# Altium PCB Booster.PcbDoc
Units mm, origin at the board's own origin, x right, y up, seen from the top; angles counter-clockwise.
Board outline 59.05 x 91.57 mm, 2 copper layers (Top Layer, Bottom Layer); 50 components, 36 nets, 138 pads, 182 vias.
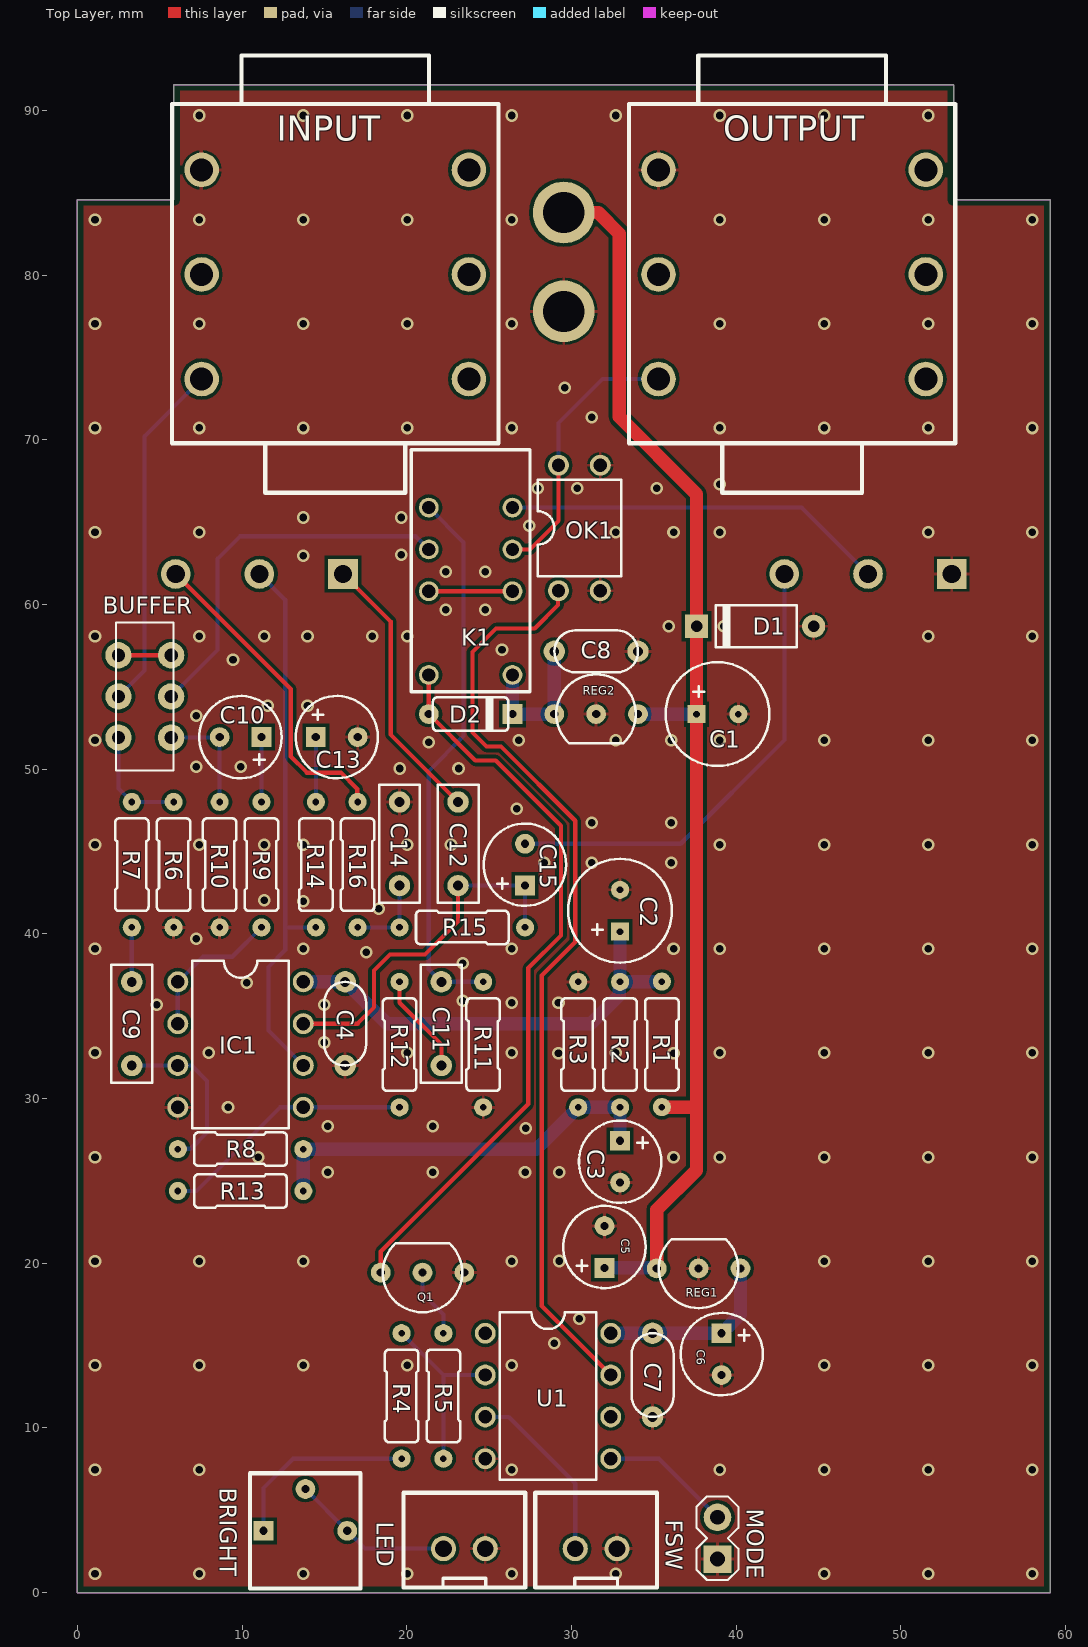
[diagram p0: Top Layer view]
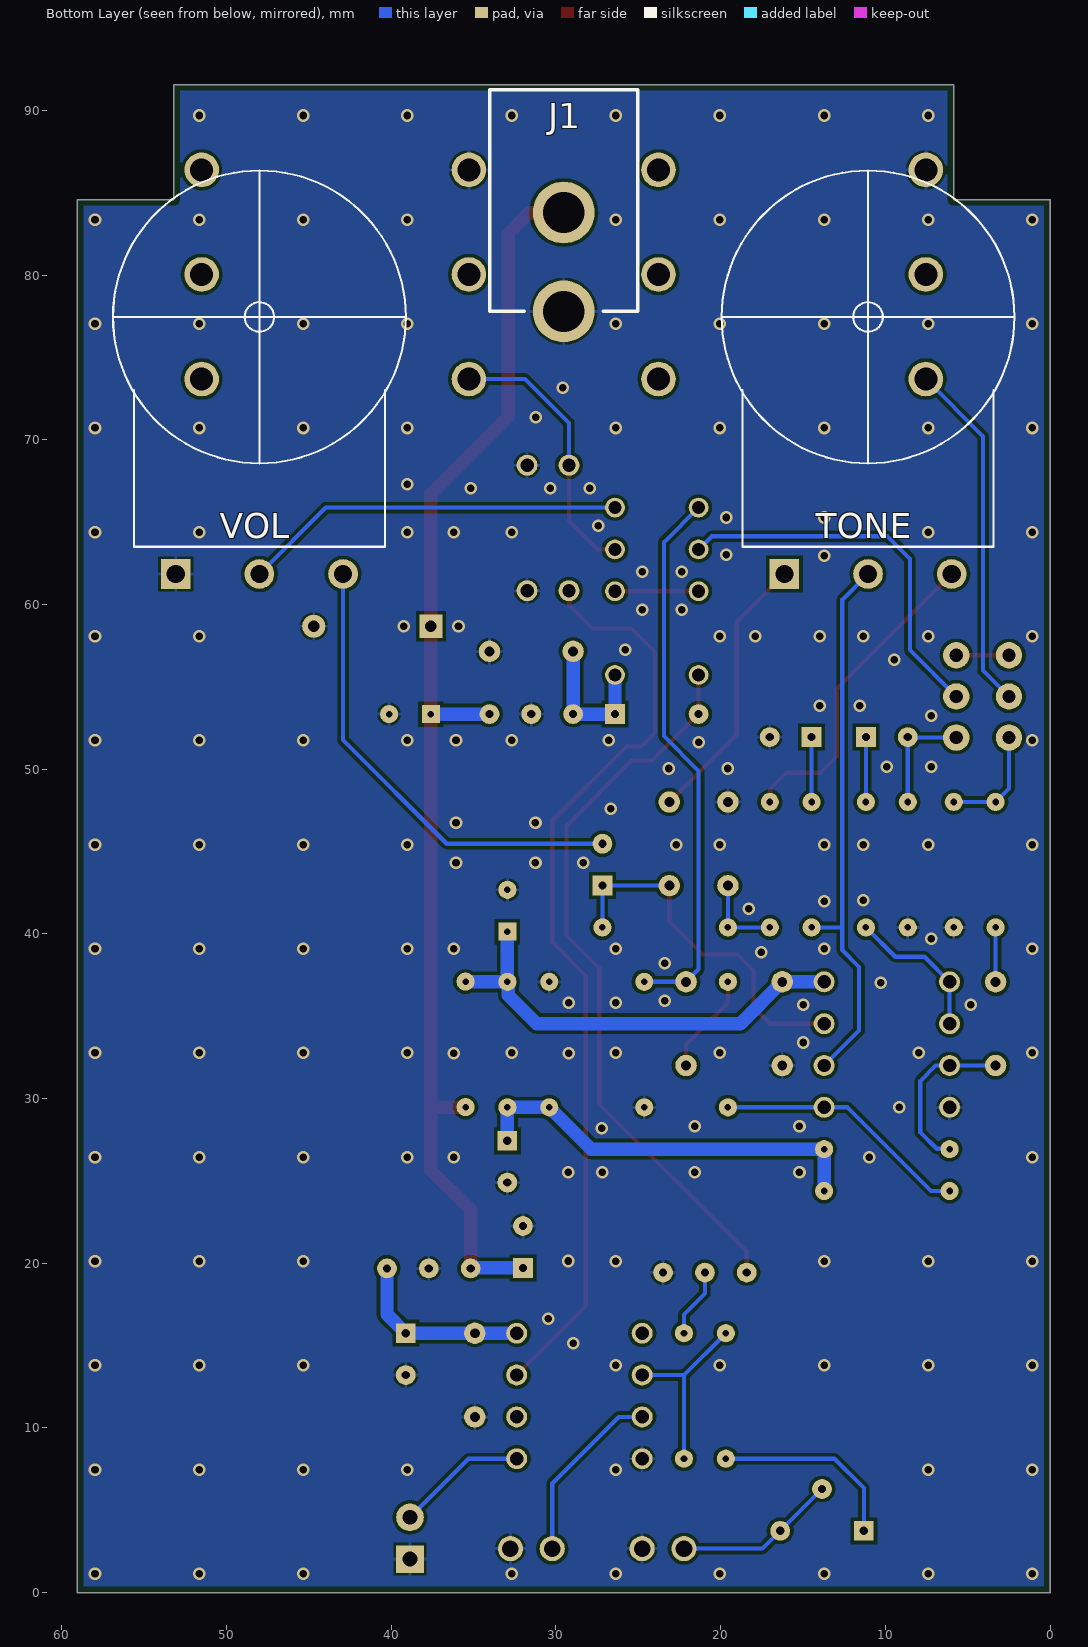
[diagram p1: Bottom Layer view, seen from below]
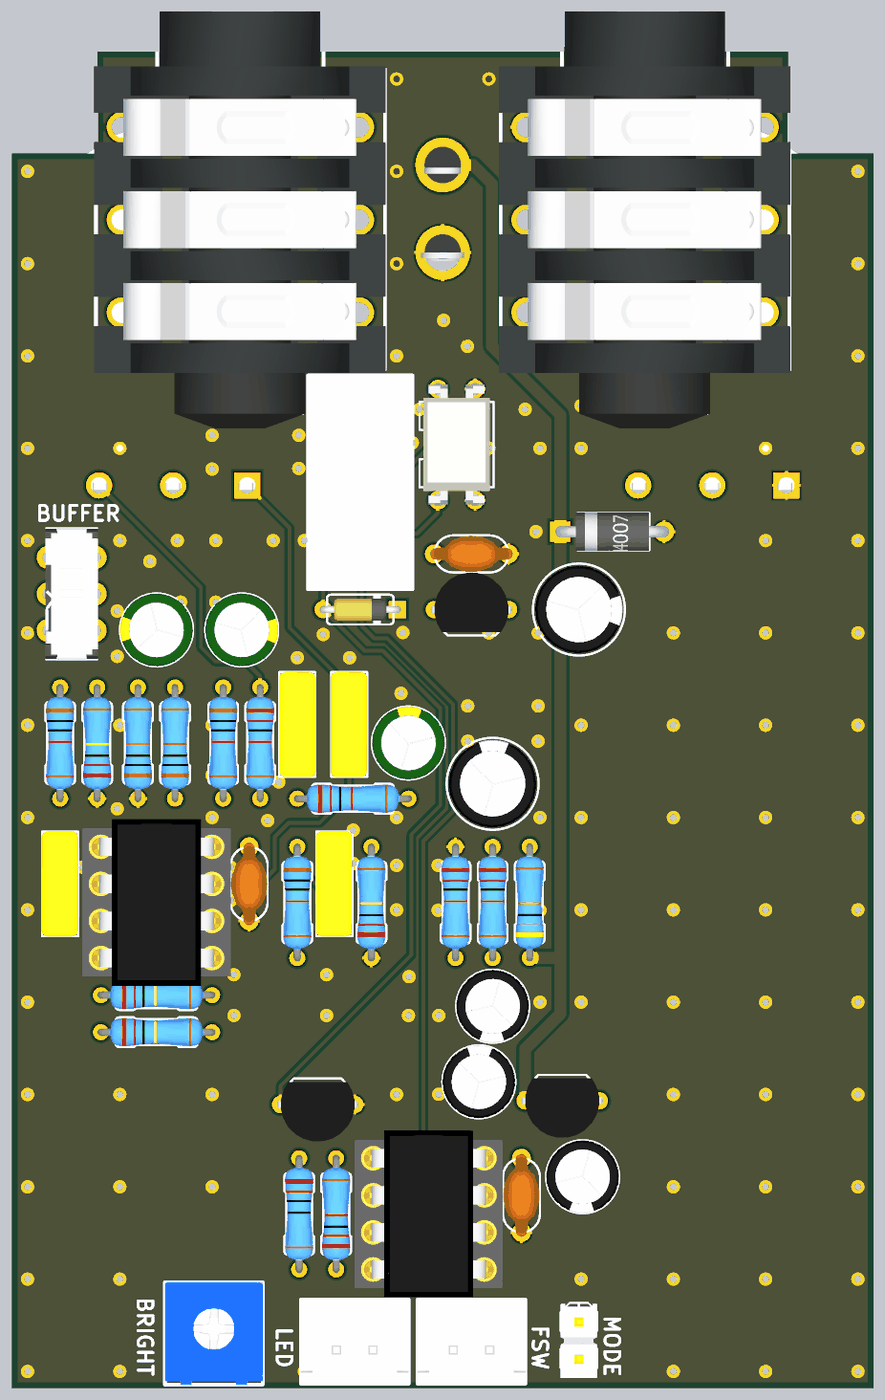
[diagram p2: 3D render of the assembled board from above, using the file's embedded part models]
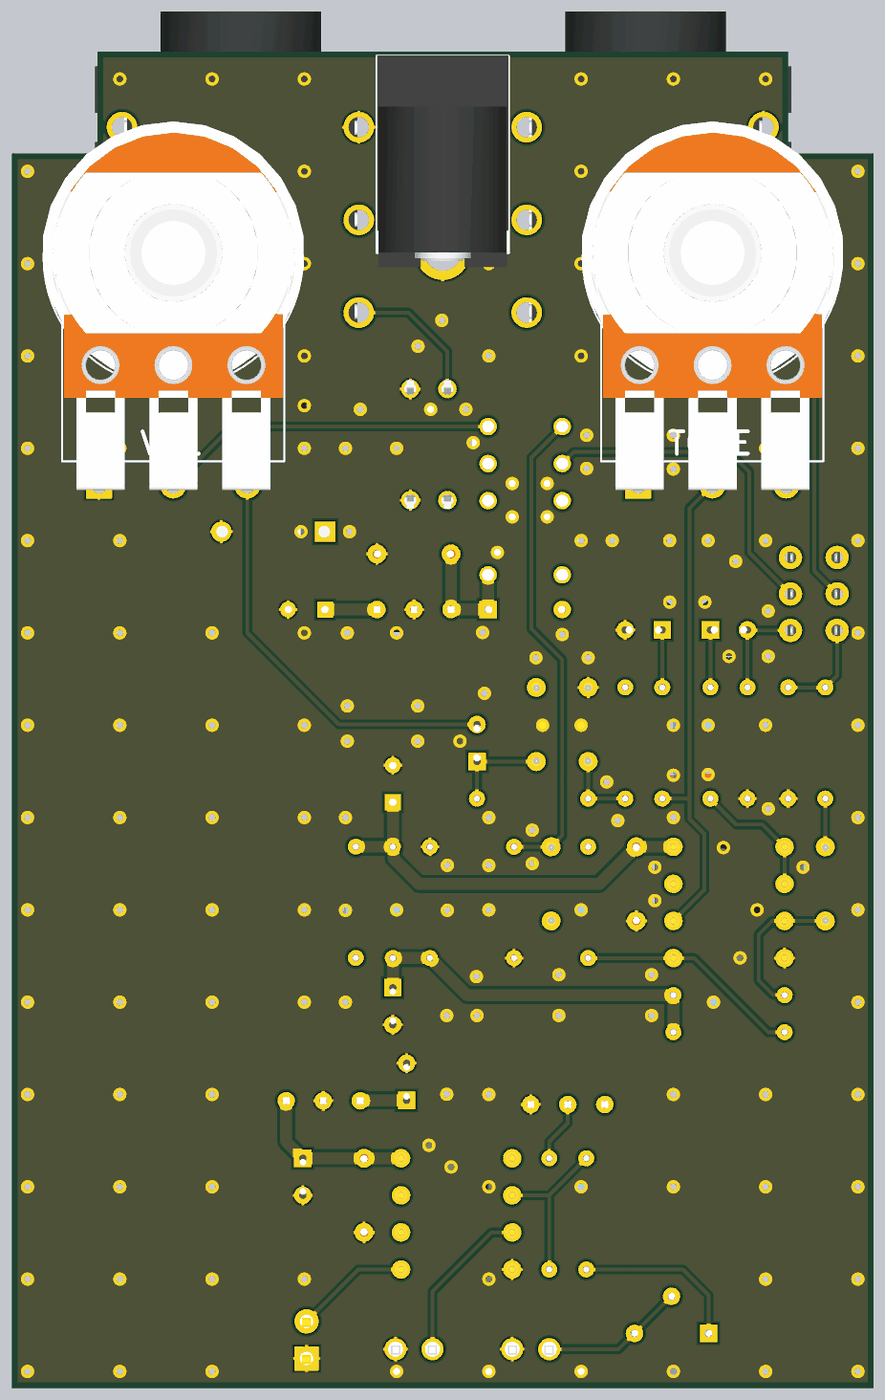
[diagram p3: 3D render of the assembled board from below, using the file's embedded part models]

## Layer stack, top to bottom
Top Solder: solder mask 0.0102, Solder Resist, Dk 3.5
Top Layer: signal copper 0.0356
Dielectric 1: dielectric 0.32, FR-4, Dk 4.8
Bottom Layer: signal copper 0.0356
Bottom Solder: solder mask 0.0102, Solder Resist, Dk 3.5

## Board outline
53.204,91.567 53.204,84.582 59.055,84.582 59.055,0 0,0 0,84.582 5.85,84.582 5.85,91.567

## Design rules (kind name [scope] priority, off if disabled: settings)
BoardOutlineClearance BottomOverlay [OnLayer('Bottom Overlay')] p1: gap=0 ignorepadtopadclearanceinfootprint=FALSE
BoardOutlineClearance TopOverlay [OnLayer('Top Overlay')] p2: gap=0 ignorepadtopadclearanceinfootprint=FALSE
BoardOutlineClearance [All] p3: gap=0.381 ignorepadtopadclearanceinfootprint=FALSE
Clearance [All] p1: gap=0.203 ignorepadtopadclearanceinfootprint=FALSE except(0: Arc-Text Arc-Hole Track-Text Track-Hole SMDPad-Text SMDPad-Hole THPad-Text THPad-Hole Via-Text Via-Hole Fill-Text Fill-Hole Poly-Text Poly-Hole Region-Text Region-Hole Text-Text Text-Hole)
ComponentClearance [All] p1 off: gap=0.025 collisioncheckmode=3 verticalgap=0.025 showdistances=FALSE
DiffPairsRouting [All] p1: maxlimit=10 minlimit=0.152 mostfreqgap=0.203 toplayer_minwidth=0.152 toplayer_maxwidth=0.381 toplayer_prefwidth=0.203 bottomlayer_minwidth=0.152 bottomlayer_maxwidth=0.381 bottomlayer_prefwidth=0.203 maxuncoupledlength=12.7
Height [All] p1 off: minheight=0 maxheight=25.4 prefheight=12.7
HoleSize [All] p1: absolutevalues=TRUE maxlimit=6.731 minlimit=0.33 maxpercent=80.000 minpercent=20.000
HoleToHoleClearance [All] p1: gap=0.254 allowstackedmicrovias=FALSE
MinimumAnnularRing [All] p1: minimumring=0.152
MinimumSolderMaskSliver [All] p1: minsoldermaskwidth=0
PlaneClearance [All] p1: clearance=0.254
PlaneConnect [All] p1: planeconnectstyle=Direct reliefexpansion=0.406 reliefentries=4 reliefconductorwidth=0.152 reliefairgap=0.152
PolygonConnect Vias [All vs IsVia] p1: connectstyle=Direct reliefconductorwidth=0.254 reliefentries=4 polygonreliefangle="90 Angle" airgapwidth=0.254
PolygonConnect [All] p2: connectstyle=Relief reliefconductorwidth=0.203 reliefentries=4 polygonreliefangle="90 Angle" airgapwidth=0.152
RoutingCorners [All] p1: cornerstyle=45-Degree minsetback=1.25 maxsetback=1.25
RoutingVias [All] p1: holewidth=0.381 width=0.762 viastyle="Through Hole" minholewidth=0.33 minwidth=0.686 maxholewidth=2.54 maxwidth=2.896
SilkToSilkClearance [All] p1 off: silktosilkclearance=0
SilkToSolderMaskClearance [IsPad] p1 off: minsilkscreentomaskgap=0.152 clearancetoexposedcopper=TRUE
SolderMaskExpansion [All] p1: expansion=0.075
Width [All] p1: maxlimit=0.813 minlimit=0.254 preferedwidth=0.254
19 further rules are at their usual default settings.

## Components (designator, comment, footprint, x,y, rotation, side; value= is the part's Value field where it differs from the comment)
BRIGHT "10kB" BOURNS_3362P 13.837,3.75 r0 top
BUFFER "DPDT" DPDT_SLIDE 5.842,49.911 r90 top
C1 "100u" ELEC_063_025 38.862,53.34 r0 top
C2 "100u" ELEC_063_025 32.947,41.402 r90 top
C3 "47u" ELEC_050_020 32.952,26.162 r270 top
C4 "100n" CER_050 16.256,34.544 r270 top
C5 "10u" ELEC_050_020 32.004,20.985 r90 top
C6 "10u" ELEC_050_020 39.116,14.478 r270 top
C7 "100n" CER_050 34.925,13.208 r90 top
C8 "100n" CER_050 31.496,57.15 r0 top
C9 "100n" FILMBOX_SMALL 3.302,34.544 r90 top
C10 "10u" ELEC_LESR_050_020 9.906,51.943 r180 top
C11 "100n" FILMBOX_SMALL 22.098,34.544 r90 top
C12 "10n" FILMBOX_SMALL 23.114,45.466 r90 top
C13 "4.7u" ELEC_LESR_050_020 15.748,51.943 r0 top
C14 "22n" FILMBOX_SMALL 19.558,45.466 r270 top
C15 "4.7u" ELEC_LESR_050_020 27.178,44.196 r90 top
D1 "D_1N4002" DO41_2 41.148,58.674 r0 top
D2 "D_1N4148" DO35_2 23.876,53.34 r180 top
FSW "J_JST-XH-02" JST-XH-02 31.496,2.667 r0 top
IC1 "TL072" DIL8 9.906,33.274 r270 top
INPUT "J_STEREO" STEREO 15.657,80.035 r90 top locked
J1 "J_DC_JACK" DC_JACK 29.527,88.447 r0 bottom
K1 "K_NA5W-K" NA5 23.876,62.069 r90 top
LED "J_JST-XH-02" JST-XH-02 23.495,2.667 r0 top
MODE "J_HEADER_2PINS" HEADER_2PINS 38.862,3.302 r270 top
OK1 "OK_TLP222G" DIL4 30.48,64.643 r0 top
OUTPUT "J_STEREO" STEREO 43.398,80.035 r90 top locked
Q1 "Q_2N3904" TO92 20.955,19.431 r180 top
R1 "47R" R_3_47R_025W 35.487,33.287 r90 top
R2 "22k" R_3_22k_025W 32.947,33.274 r270 top
R3 "22k" R_3_22k_025W 30.407,33.274 r270 top
R4 "220R" R_3_220R_025W 19.685,11.938 r270 top
R5 "22k" R_3_22k_025W 22.225,11.938 r90 top
R6 "2.2M" R_3_2,2M_025W 5.842,44.196 r90 top
R7 "10k" R_3_10k_025W 3.302,44.196 r270 top
R8 "2.2M" R_3_2,2M_025W 9.906,26.924 r0 top
R9 "1k" R_3_1k_025W 11.176,44.196 r90 top
R10 "100k" R_3_100k_025W 8.636,44.196 r90 top
R11 "2.2M" R_3_2,2M_025W 24.638,33.274 r90 top
R12 "10k" R_3_10k_025W 19.558,33.274 r270 top
R13 "2.2M" R_3_2,2M_025W 9.906,24.384 r0 top
R14 "10k" R_3_10k_025W 14.478,44.196 r270 top
R15 "22k" R_3_22k_025W 23.368,40.386 r0 top
R16 "22k" R_3_22k_025W 17.013,44.196 r270 top
REG1 "REG_LM78L05" TO92 37.719,19.685 r180 top
REG2 "REG_LM78L05" TO92 31.496,53.34 r0 top
TONE "100kB" ALPHA_16mm_BOTTOM 11.049,61.833 r180 bottom locked
U1 "U_ATTINY85" DIP8 28.575,11.938 r270 top
VOL "100kA" ALPHA_16mm_BOTTOM 48.006,61.833 r180 bottom locked

## Footprints (in the part's own frame and the unit in brackets; to place one, negate y for a bottom-side part, rotate by r counter-clockwise, add the part's x,y. Pads: shape width x height; smd on the part's side, far side on the other; paste and mask are expansions set on the pad)
ALPHA_16mm_BOTTOM [mm]
  rect 1.8x1.8 hole 1.1: 1(-5.08,0.016)
  round 1.8 hole 1.1: 2(0,0.016) 3(5.08,0.016)
  silkscreen extent -8.89,1.67 8.89,24.51, body extent -8.99,-0.31 11.3,24.95, height 27.09
BOURNS_3362P [mm]
  rect 1.2x1.2 hole 0.5: 1(-2.534,0)
  round 1.2 hole 0.5: 2(0.006,2.54) 3(2.546,0)
  silkscreen extent -3.35,-3.51 3.35,3.49, body extent -3.35,-3.53 3.35,3.51, height 4.88
CER_050 [mm]
  round 1.3 hole 0.6: 1(-2.54,0) 2(2.54,0)
  silkscreen extent -2.54,-1.27 2.54,1.27, body extent -2.97,-1.25 2.8,1.68, height 4.98
DC_JACK [mm]
  round 3.75 hole 2.5: GND(0,4.652) PWR(0,10.652)
  silkscreen extent -4.5,-2.79 4.5,10.65, body extent -8.89,-2.86 4.5,11.64, height 11
DIL4 [mil]
  round 50 hole 32: 1(-50,-150) 2(50,-150) 3(50,150) 4(-50,150)
  silkscreen extent -100,-115 100,115, body extent -90,-173 90,173, height 174
DIL8 [mil]
  round 50 hole 32: 1(-150,-150) 2(-50,-150) 3(50,-150) 4(150,-150) 5(150,150) 6(50,150) 7(-50,150) 8(-150,150)
  silkscreen extent -200,-115 200,115, body extent -225,-200 225,200, height 335
DIP8 [mil]
  round 50 hole 32: 1(-150,-150) 2(-50,-150) 3(50,-150) 4(150,-150) 5(150,150) 6(50,150) 7(-50,150) 8(-150,150)
  silkscreen extent -200,-115 200,115, body extent -225,-200 225,200, height 335
DO35_2 [mm]
  round 1.2 hole 0.5: A(2.54,0)
  rect 1.2x1.2 hole 0.5: C(-2.54,0)
  silkscreen extent -2.29,-1.02 2.29,1.02, body extent -2.75,-0.75 2.75,0.75, height 1.51
DO41_2 [mil]
  round 55.12 hole 27.56: A(140,0)
  rect 55.12x55.12 hole 27.56: C(-140,0)
  silkscreen extent -94,-50 100,50, body extent -154,-52 154,52, height 112
DPDT_SLIDE [mm]
  round 1.6 hole 0.8: A1(2,3.35) A2(4.5,3.35) A3(7,3.35) B1(2,0.15) B2(4.5,0.15) B3(7,0.15)
  silkscreen extent 0,0 9,3.5, body extent 0,-0.05 9,3.55, height 5.5
ELEC_050_020 [mm]
  rect 1.2x1.2 hole 0.5: +(-1.27,0)
  round 1.2 hole 0.5: -(1.27,0)
  silkscreen extent -2.5,-2.5 2.5,2.5, body extent -2.5,-2.5 2.5,2.5, height 7.04
ELEC_063_025 [mm]
  rect 1.1x1.1 hole 0.4: +(-1.27,0)
  round 1.1 hole 0.4: -(1.27,0)
  silkscreen extent -3.15,-3.15 3.15,3.15, body extent -3,-3 3,3, height 7.99
ELEC_LESR_050_020 [mm]
  rect 1.2x1.2 hole 0.5: +(-1.27,0)
  round 1.2 hole 0.5: -(1.27,0)
  silkscreen extent -2.5,-2.5 2.5,2.5, body extent -2.5,-2.5 2.5,2.54, height 11.01
FILMBOX_SMALL [mm]
  round 1.3 hole 0.6: 1(-2.54,0) 2(2.54,0)
  silkscreen extent -3.58,-1.24 3.58,1.24, body extent -3.6,-1.23 3.6,1.27, height 6.5
HEADER_2PINS [mil]
  rect 66x66 hole 35.43: 1(50,0)
  round 66 hole 35.43: 2(-50,0)
  silkscreen extent -100,-50 100,50, body extent -102,-50 102,50, height 330
JST-XH-02 [mil]
  round 60 hole 40: 1(-50,0) 2(50,0)
  silkscreen extent -146,-93 146,134, body extent -146,-95 146,131, height 276
NA5 [mil]
  round 47.25 hole 31.5: 1(-250,-100) 3(-50,-100) 4(50,-100) 5(150,-100) 8(150,100) 9(50,100) 10(-50,100) 12(-250,100)
  silkscreen extent -290,-142 289,142, body extent -291,-144 291,144, height 362
R_3_1k_025W [mm]
  round 1.1 hole 0.4: 1(-3.81,0) 2(3.81,0)
  silkscreen extent -2.81,-1.02 2.81,1.02, body extent -4.06,-0.97 4.06,0.97, height 2.11
R_3_2,2M_025W [mm]
  round 1.1 hole 0.4: 1(-3.81,0) 2(3.81,0)
  silkscreen extent -2.81,-1.02 2.81,1.02, body extent -4.06,-0.97 4.06,0.97, height 2.11
R_3_10k_025W [mm]
  round 1.1 hole 0.4: 1(-3.81,0) 2(3.81,0)
  silkscreen extent -2.81,-1.02 2.81,1.02, body extent -4.06,-0.97 4.06,0.97, height 2.11
R_3_22k_025W [mm]
  round 1.1 hole 0.4: 1(-3.81,0) 2(3.81,0)
  silkscreen extent -2.81,-1.02 2.81,1.02, body extent -4.06,-0.97 4.06,0.97, height 2.11
R_3_47R_025W [mm]
  round 1.1 hole 0.4: 1(-3.81,0) 2(3.81,0)
  silkscreen extent -2.81,-1.02 2.81,1.02, body extent -4.06,-0.97 4.06,0.97, height 2.11
R_3_100k_025W [mm]
  round 1.1 hole 0.4: 1(-3.81,0) 2(3.81,0)
  silkscreen extent -2.81,-1.02 2.81,1.02, body extent -4.06,-0.97 4.06,0.97, height 2.11
R_3_220R_025W [mm]
  round 1.1 hole 0.4: 1(-3.81,0) 2(3.81,0)
  silkscreen extent -2.81,-1.02 2.81,1.02, body extent -4.06,-0.97 4.06,0.97, height 2.11
STEREO [mm]
  round 2.1 hole 1.4: R(0,8.115) RN(0,-8.115) S(6.35,8.115) SN(6.35,-8.115) T(-6.35,8.115) TN(-6.35,-8.115)
  silkscreen extent -13.25,-9.91 13.3,9.91, body extent -14.28,-9.97 14.28,10.03, height 15.5
TO92 [mm]
  round 1.2 hole 0.5: 1(2.54,0) 2(0,0) 3(-2.54,0)
  silkscreen extent -2.41,-1.78 2.41,2.41, body extent -2.77,-1.55 2.77,2.55, height 6.48

## Part data
BRIGHT: library part TRIM_10kB_3362P, "10k Lin 3362P trimmer", Price=0.1
BUFFER: library part SW_SLIDE_DPDT_ON-ON, "DPDT slide switch ON/ON", Price=0.5
C1 C2: library part C_ELEC_100u_25V, "100u 25V electrolytic capacitor", Package=Radial, Dimensions=6.3x8mm, PinSpacing=2.54mm, Price=0.02
C3: library part C_ELEC_47u_25V, "47u 25V electrolytic capacitor", Package=Radial, Dimensions=5x8mm, PinSpacing=2mm, Price=0.02
C4 C7 C8: library part C_CER_100n, "100n MLCC X7R radial capacitor", Package=Radial, PinSpacing=5.08mm, Price=0.02
C5 C6: library part C_ELEC_10u_50V, "10u 50V electrolytic capacitor", Package=Radial, Dimensions=4x8mm, PinSpacing=2mm, Price=0.02
C9 C11: library part C_FILMBOX_100n, "100n 100V polyester film box capacitor", Package=Radial, Dimensions=7.2x2.5x6.5mm, PinSpacing=5.08mm, Price=0.05
C10: library part C_ELEC_LESR_10u_50V, "10u 50V Low ESR ectrolytic capacitor", Package=Radial, Dimensions=5x11mm, PinSpacing=2mm, Price=0.05
C12: library part C_FILMBOX_10n, "10n 100V polyester film box capacitor", Package=Radial, Dimensions=7.2x2.5x6.5mm, PinSpacing=5.08mm, Price=0.05
C13 C15: library part C_ELEC_LESR_4.7u_50V, "4.7u 50V Low ESR ectrolytic capacitor", Package=Radial, Dimensions=5x11mm, PinSpacing=2mm, Price=0.05
C14: library part C_FILMBOX_22n, "22n 100V polyester film box capacitor", Package=Radial, Dimensions=7.2x2.5x6.5mm, PinSpacing=5.08mm, Price=0.05
D1: "1N4002", Package=DO-41, PinSpacing=7.62mm, Price=0.01
D2: "1N4148", Package=DO-35, PinSpacing=5.08mm, Price=0.01
FSW LED: "2 Pins male XH header", Price=0.1
IC1: library part IC_TL072, Package=DIP-8, Price=0.1
INPUT OUTPUT: "6.35mm stereo insulated socket jack PCB mounted", Price=0.5
J1: "DC Power jack 2.1mm barrel", Price=0.05
K1: "NA5W-K", Price=1.1
MODE: "2 Pins male header", Pin spacing=2.54mm, Price=0.01
OK1: "TLP222G", Price=0.36
Q1: "2N3904", Package=TO-92, Price=0.01
R1: library part R_3_47R_025W, "47R metal film 1/4W Resistor", PinSpacing=7.62mm, Price=0.01
R2 R3 R5 R15 R16: library part R_3_22k_025W, "22k metal film 1/4W Resistor", PinSpacing=7.62mm, Price=0.01
R4: library part R_3_220R_025W, "220R metal film 1/4W Resistor", PinSpacing=7.62mm, Price=0.01
R6 R8 R11 R13: library part R_3_2.2M_025W, "2.2M metal film 1/4W Resistor", PinSpacing=7.62mm, Price=0.01
R7 R12 R14: library part R_3_10k_025W, "10k metal film 1/4W Resistor", PinSpacing=7.62mm, Price=0.01
R9: library part R_3_1k_025W, "1k metal film 1/4W Resistor", PinSpacing=7.62mm, Price=0.01
R10: library part R_3_100k_025W, "100k metal film 1/4W Resistor", PinSpacing=7.62mm, Price=0.01
REG1 REG2: "78L05", Package=TO-92, Price=0.01
TONE: library part POT_100kB_ALPHA_16mm, "100k Lin potentiometer round shaft", Package="PCB Mounted", Dimensions=16mm, Price=0.5
U1: "ATTINY85-20PU", Package=DIP-8, Price=1.2
VOL: library part POT_100kA_ALPHA_16mm, "100k Log potentiometer round shaft", Package="PCB Mounted", Dimensions=16mm, Price=0.5

## Via types
v1: diameter 0.762, hole 0.457, Top Layer to Bottom Layer, 182 vias

## Nets (pads, with @x,y where several pads share a name; then routed paths per layer and width w, separated by ;. In a path a pad name is that pad's centre, name@x,y a point inside that pad or via, vN(x,y) a via of type N, cw(c..) or ccw(c..) an arc to the next point about the centre after c; other vN are vias at no path point)
+5V: C6.+ C7.2 REG1.3 U1.8 | length 11.1
  Bottom Layer w0.813: U1.8 C7.2 C6.+ 40.259,16.891 REG1.3
+9V: C1.+ C5.+ D1.C J1.GND R1.1 REG1.1 REG2.1 | length 78.5
  Top Layer w0.813: J1.GND 31.616,83.795 32.893,82.517 32.893,71.384 37.592,66.685 D1.C C1.+ 37.592,29.464 ; REG1.1 35.179,23.239 37.592,25.652 37.592,29.464 ; R1.1 37.579,29.477 37.592,29.464
  Bottom Layer w0.813: C5.+ 35.149,19.715 REG1.1 ; REG2.1 C1.+
BUFFEROUT: BUFFER.B2 K1.9 | length 23.2
  Bottom Layer w0.254: BUFFER.B2 8.509,57.228 8.509,62.769 9.875,64.135 20.54,64.135 K1.9
GND: C1.- C2.- C3.- C4.2 C5.- C6.- C7.1 C8.2 C13.- C14.1 D1.A FSW.2 IC1.4 INPUT.S J1.PWR LED.2 MODE.1 OK1.2 OK1.3 OUTPUT.S Q1.3 R3.1 R6.1 R10.1 R11.1 REG1.2 REG2.2 U1.4 VOL.1
  other v1: 1.067,1.143 7.391,1.143 13.716,1.143 20.041,1.143 26.365,1.143 32.69,1.143 45.339,1.143 51.664,1.143 57.988,1.143 1.067,7.468 7.391,7.468 26.365,7.468 39.014,7.468 45.339,7.468 51.664,7.468 57.988,7.468 1.067,13.792 7.391,13.792 13.716,13.792 20.041,13.792 26.365,13.792 45.339,13.792 51.664,13.792 57.988,13.792 28.956,15.15 30.48,16.637 1.067,20.117 7.391,20.117 13.716,20.117 26.365,20.117 45.339,20.117 51.664,20.117 57.988,20.117 29.252,20.133 15.212,25.527 21.567,25.527 27.178,25.527 29.252,25.527 1.067,26.441 10.966,26.441 36.195,26.441 39.014,26.441 45.339,26.441 51.664,26.441 57.988,26.441 27.219,28.194 15.212,28.321 21.567,28.321 9.144,29.477 29.21,32.736 36.195,32.736 1.067,32.766 7.978,32.766 20.041,32.766 26.365,32.766 32.69,32.766 39.014,32.766 45.339,32.766 51.664,32.766 57.988,32.766 14.986,33.401 4.826,35.687 14.986,35.687 26.368,35.814 29.21,35.814 23.393,35.941 10.287,37.029 23.393,38.225 17.526,38.88 1.067,39.091 13.716,39.091 26.365,39.091 36.195,39.091 39.014,39.091 45.339,39.091 51.664,39.091 57.988,39.091 7.215,39.691 18.288,41.529 13.716,41.988 11.337,42.037 28.348,44.323 31.242,44.323 36.068,44.323 1.067,45.415 7.391,45.415 11.337,45.415 13.716,45.415 20.041,45.415 22.684,45.415 39.014,45.415 45.339,45.415 51.664,45.415 57.988,45.415 31.242,46.736 36.068,46.736 26.67,47.601 19.558,50.038 23.14,50.038 7.215,50.132 9.906,50.132 21.336,51.631 1.067,51.74 32.69,51.74 36.068,51.74 39.014,51.74 45.339,51.74 51.664,51.74 57.988,51.74 26.797,51.765 7.215,53.238 11.557,53.848 13.97,53.848 9.446,56.642 25.781,57.252 1.067,58.064 7.391,58.064 11.337,58.064 13.97,58.064 17.907,58.064 20.041,58.064 51.664,58.064 57.988,58.064 35.915,58.674 39.243,58.674 22.369,59.69 24.765,59.69 22.369,61.976 24.765,61.976 13.718,62.962 19.66,63.007 1.067,64.389 7.391,64.389 32.69,64.389 36.195,64.389 39.014,64.389 51.664,64.389 57.988,64.389 27.439,64.77 13.718,65.278 19.66,65.278 27.94,67.056 30.353,67.056 35.179,67.056 39.014,67.31 1.067,70.714 7.391,70.714 13.716,70.714 20.041,70.714 26.365,70.714 39.014,70.714 45.339,70.714 51.664,70.714 57.988,70.714 31.221,71.374 29.591,73.152 1.067,77.038 7.391,77.038 13.716,77.038 20.041,77.038 26.365,77.038 39.014,77.038 45.339,77.038 51.664,77.038 57.988,77.038 1.067,83.363 7.391,83.363 13.716,83.363 20.041,83.363 26.365,83.363 39.014,83.363 45.339,83.363 51.664,83.363 57.988,83.363 7.391,89.687 13.716,89.687 20.041,89.687 26.365,89.687 32.69,89.687 39.014,89.687 45.339,89.687 51.664,89.687
INPUT: BUFFER.A2 INPUT.T | length 21.4
  Bottom Layer w0.254: BUFFER.A2 4.064,55.983 4.064,70.208 INPUT.T
NetBRIGHT_1: BRIGHT.1 R4.2 | length 11.7
  Bottom Layer w0.254: BRIGHT.1 11.303,6.35 13.081,8.128 R4.2
NetBRIGHT_2: BRIGHT.2 BRIGHT.3 LED.1 | length 9.9
  Bottom Layer w0.254: BRIGHT.2 BRIGHT.3 17.466,2.667 LED.1
NetBUFFER_A1: BUFFER.A1 R6.2 R7.1 | length 6.8
  Bottom Layer w0.254: BUFFER.A1 2.492,48.816 R7.1 R6.2
NetBUFFER_A3: BUFFER.A3 BUFFER.B3 | length 3.2
  Top Layer w0.254: BUFFER.A3 BUFFER.B3
NetBUFFER_B1: BUFFER.B1 C10.- R10.2 | length 6.9
  Bottom Layer w0.254: BUFFER.B1 8.604,51.911 C10.- R10.2
NetC8_1: C8.1 D2.C K1.1 REG2.3 | length 8.7
  Bottom Layer w0.813: K1.1 D2.C REG2.3 C8.1
NetC9_1: C9.1 IC1.3 R8.1 | length 10.3
  Bottom Layer w0.254: C9.1 IC1.3 6.941,32.004 7.874,31.071 7.874,27.942 6.878,26.947 6.119,26.947 R8.1
NetC9_2: C9.2 R7.2 | length 3.3
  Bottom Layer w0.254: C9.2 R7.2
NetC10_+: C10.+ R9.2 | length 3.9
  Bottom Layer w0.254: R9.2 C10.+
NetC11_1: C11.1 R12.1 | length 6.1
  Top Layer w0.254: R12.1 19.558,35.814 22.098,33.274 C11.1
NetC12_1: C12.1 C15.+ IC1.7 R15.2 | length 22.1
  Top Layer w0.254: IC1.7 17.018,34.544 18.01,35.536 18.01,37.765 18.98,38.735 21.109,38.735 23.114,40.74 C12.1
  Bottom Layer w0.254: C12.1 C15.+ R15.2
NetC12_2: C12.2 TONE.1 | length 16.7
  Top Layer w0.254: TONE.1 19.021,58.957 19.021,52.099 C12.2
NetC13_+: C13.+ R14.1 | length 3.9
  Bottom Layer w0.254: R14.1 C13.+
NetC14_2: C14.2 R15.1 R16.2 | length 5.1
  Bottom Layer w0.254: R16.2 R15.1 C14.2
NetC15_-: C15.- VOL.3 | length 28.4
  Bottom Layer w0.254: C15.- 36.632,45.466 42.926,51.76 VOL.3
NetD2_A: D2.A K1.12 Q1.1 | length 44.9
  Top Layer w0.254: Q1.1 18.415,20.701 27.375,29.661 27.375,37.916 29.361,39.902 29.361,46.56 25.4,50.521 24.155,50.521 D2.A K1.12
NetIC1_1: IC1.1 IC1.2 R9.1 | length 9
  Bottom Layer w0.254: IC1.2 IC1.1 7.62,38.608 9.398,38.608 R9.1
NetIC1_5: IC1.5 R12.2 R13.1 | length 15.6
  Bottom Layer w0.254: R13.1 7.221,24.384 12.301,29.464 IC1.5 R12.2
NetIC1_6: IC1.6 R14.2 TONE.2 | length 33.7
  Bottom Layer w0.254: TONE.2 12.617,60.281 12.617,40.386 ; IC1.6 11.596,34.124 11.596,37.987 12.617,39.008 12.617,40.386 ; R14.2 12.617,40.386
NetK1_3: K1.3 K1.10 | length 5.1
  Top Layer w0.254: K1.10 K1.3
NetQ1_2: Q1.2 R5.2 | length 4.2
  Bottom Layer w0.254: Q1.2 20.955,18.161 22.225,16.891 R5.2
NetR16_1: R16.1 TONE.3 | length 19.6
  Top Layer w0.254: TONE.3 12.954,54.864 12.954,50.759 13.929,49.784 15.995,49.784 16.991,48.788 16.991,48.029 R16.1
OUTPUT: K1.4 OK1.4 OUTPUT.T | length 16.6
  Top Layer w0.254: K1.4 27.473,63.339 29.21,65.076 OK1.4
  Bottom Layer w0.254: OK1.4 29.21,71.018 31.877,73.685 OUTPUT.T
PB0: MODE.2 U1.5 | length 7.9
  Bottom Layer w0.254: U1.5 35.306,8.128 MODE.2
PB2: OK1.1 U1.7 | length 56.9
  Top Layer w0.254: OK1.1 29.188,60.811 29.188,59.966 27.769,58.547 25.417,58.547 23.98,57.11 23.98,52.222 24.831,51.37 25.718,51.37 30.226,46.862 30.226,39.5 28.194,37.468 28.194,17.399 U1.7
PB3: R4.1 R5.1 U1.2 | length 11.2
  Bottom Layer w0.254: R4.1 22.225,13.208 ; R5.1 22.225,13.208 ; U1.2 22.225,13.208
PB4: FSW.1 U1.3 | length 11.1
  Bottom Layer w0.254: U1.3 26.187,10.668 30.226,6.629 FSW.1
RETURN: K1.5 VOL.2 | length 23.3
  Bottom Layer w0.254: K1.5 43.976,65.879 VOL.2
SEND: C11.2 K1.8 R11.2 | length 33.4
  Bottom Layer w0.254: K1.8 23.445,63.77 23.445,52.003 21.336,49.894 21.336,37.846 C11.2 R11.2
Vb: C3.+ R2.2 R3.2 R8.2 R13.2 | length 24.9
  Bottom Layer w0.813: R13.2 R8.2 27.867,26.924 R3.2 R2.2 32.947,27.437 C3.+
Vr: C2.+ C4.1 IC1.8 R1.2 R2.1 | length 27.4
  Bottom Layer w0.813: IC1.8 C4.1 18.796,34.544 31.167,34.544 32.892,36.269 32.892,37.029 R2.1 ; C2.+ R2.1 ; R1.2 35.474,37.084 R2.1
pads on no net: INPUT.R INPUT.RN INPUT.SN INPUT.TN OUTPUT.R OUTPUT.RN OUTPUT.SN OUTPUT.TN U1.1 U1.6

## Polygon pours and split planes (outlines as drawn)
GND on Top Layer "GND_L01_P010" (solid, pour order 10): 0,0 59.055,0 59.055,84.582 53.204,84.582 53.204,91.567 5.85,91.567 5.85,84.582 0,84.582
GND on Bottom Layer "GND_L02_P008" (solid, pour order 8): 0,0 59.055,0 59.055,84.455 59.182,84.582 53.204,84.582 53.204,91.567 5.85,91.567 5.85,84.582 0,84.582

## Keep-outs
Keep-Out Layer:
  lines w0.025: 14.891,0 0,0 0,84.582 5.85,84.582 5.85,91.567 53.205,91.567 53.205,84.582 59.055,84.582 59.055,0 44.418,0 ; 14.916,0 44.444,0

## Silkscreen, mask and mechanical layers (free items; w line width, h text height)
Mechanical 3:
  lines w0.025: 0,0 0,84.582 5.85,84.582 5.85,91.567 53.205,91.567 53.205,84.582 59.055,84.582 59.055,0 0,0
  lines w0.254: 59.055,84.582 59.055,84.582